# Altium PCB PCB1.PcbDoc (part 1 of 2) (continued)
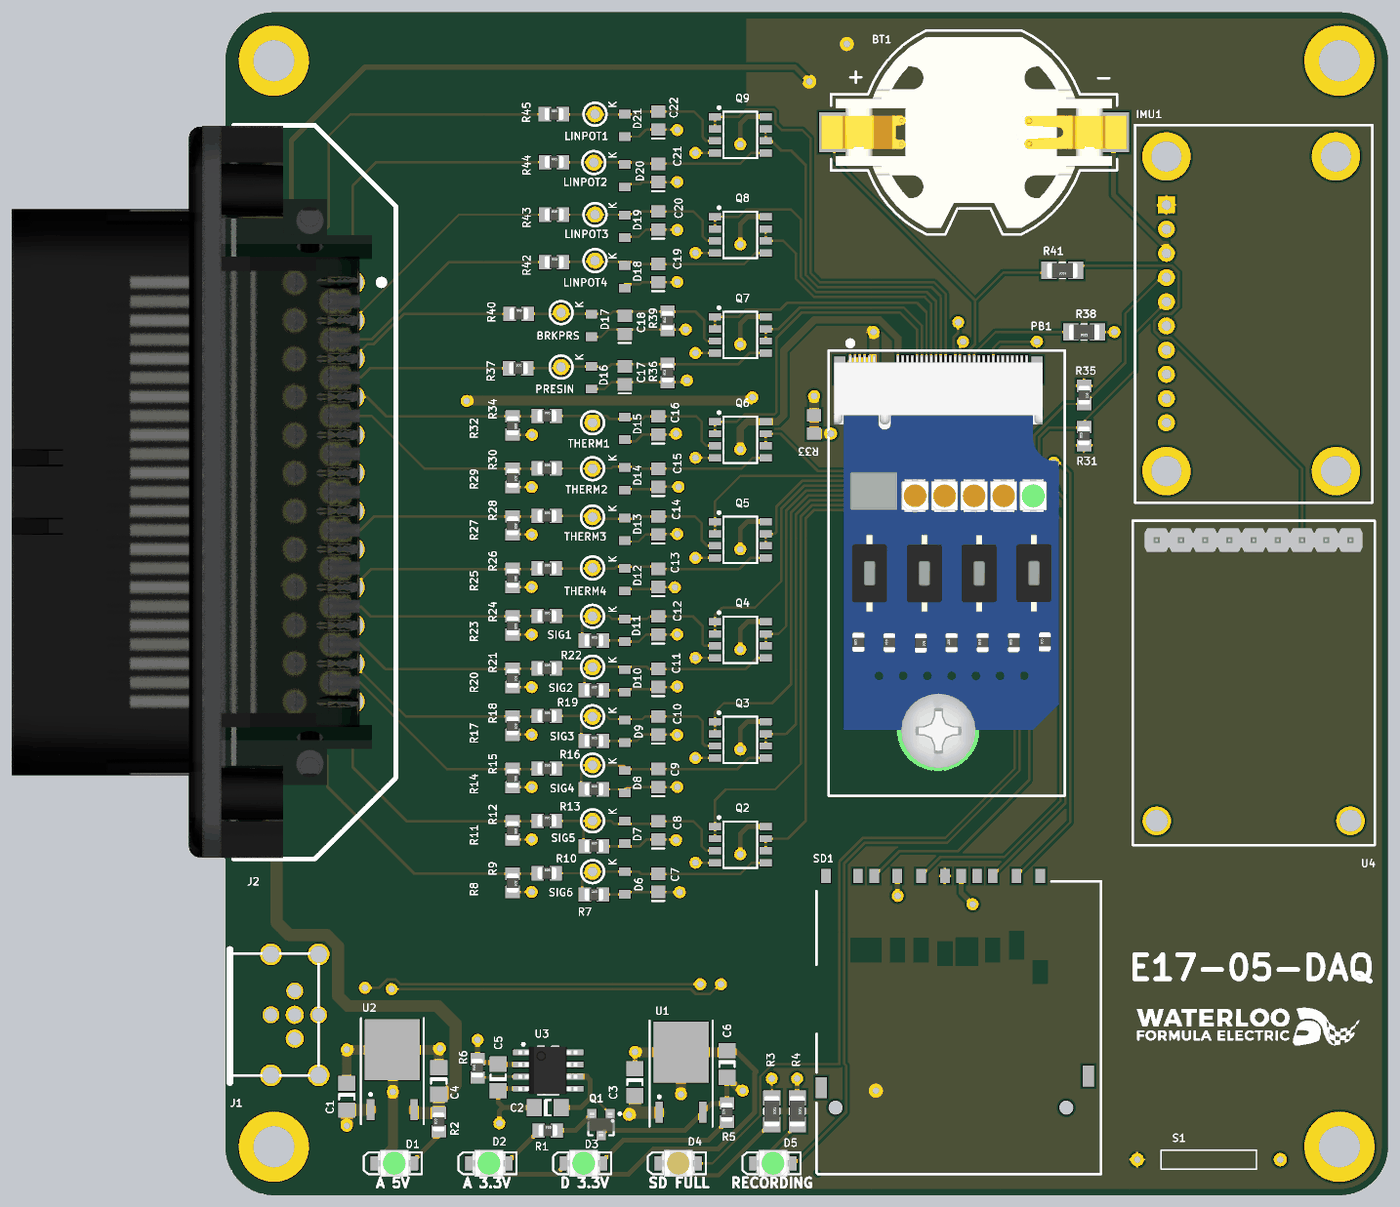
[diagram p5: 3D render of the assembled board from above, using the file's embedded part models]

## Layer stack, top to bottom
Top Solder: solder mask 0.4, Solder Resist, Dk 3.5
Top Layer: signal copper 1.4
Dielectric 1: dielectric 12.6, FR-4, Dk 4.8
Signal Layer 1: signal copper 1.417
Dielectric 2: dielectric 10, Dk 4.2
Signal Layer 2: signal copper 1.417
Dielectric 3: dielectric 10, Dk 4.2
Bottom Layer: signal copper 1.4
Bottom Solder: solder mask 0.4, Solder Resist, Dk 3.5

## Board outline
14493.78,8858.27 ccw(c14693.78,8858.27) 14693.78,8658.27 19094.49,8658.27 ccw(c19094.49,8858.27) 19294.49,8858.27 19294.49,13345.83 ccw(c19094.49,13345.83) 19094.49,13545.83 14693.78,13545.83 ccw(c14693.78,13345.83) 14493.78,13345.83

## Design rules (kind name [scope] priority, off if disabled: settings)
BoardOutlineClearance [All] p1: gap=25
Clearance Clearance_1 [InPolygon] p1: gap=10
Clearance [All] p2: gap=10 except(6: Track-SMDPad SMDPad-SMDPad)
HoleSize [All] p1: absolutevalues=TRUE maxlimit=200 minlimit=1 maxpercent=80.000 minpercent=20.000
PolygonConnect PolygonConnect_J1 [InComponent('J1')] p1: connectstyle=Direct reliefconductorwidth=10 reliefentries=4 polygonreliefangle="90 Angle" airgapwidth=10
PolygonConnect PolygonConnect_VIA [isVia] p2: connectstyle=Direct reliefconductorwidth=10 reliefentries=4 polygonreliefangle="90 Angle" airgapwidth=10
PolygonConnect [All] p3: connectstyle=Relief reliefconductorwidth=10 reliefentries=4 polygonreliefangle="90 Angle" airgapwidth=10
RoutingVias [All] p1: holewidth=28 width=50 viastyle="Through Hole" minholewidth=28 minwidth=50 maxholewidth=28 maxwidth=50
SolderMaskExpansion [All] p1: expansion=4
Width [All] p1: maxlimit=10000 minlimit=10 preferedwidth=10
29 further rules are at their usual default settings.

## Classes and differential pairs
component class Sheet3: C1 C2 C3 C4 C5 C6 D1 D2 J1 Q1 R1 R2 R5 R6 R33 U1 U2 U3
component class Sheet2: C7 C8 C9 C10 C11 C12 C13 C14 C15 C16 C17 C18 C21 C22 D6 D7 D8 D9 D10 D11 D12 D13 D14 D15 D16 D19 D20 D21 Q2 Q3 Q4 Q5 Q6 Q7 Q8 Q9 R7 R8 R9 R10 R11 R12 R13 R14 R15 R16 R17 R18 R19 R20 R21 R22 R23 R24 R25 R26 R27 R28 R29 R30 R32 R36 R37 R39 R43 R44 R45 R48 R49 R50 R51 R52 R53 R54 R55 R56 R58 R59 R60 R61 R63 R64 R65 R66 R67 R68 R69 TP1 TP2 TP3 TP4 TP5 TP6 TP7 TP8 TP9 TP10 TP11 TP12 TP13 TP14 TP15
component class Sheet1: BT1 C23 C24 D4 D5 IMU1 J2 PB1 R3 R4 R31 R35 R38 R74 S1 SD1 U4 XTAL1

## Components (designator, comment, footprint, x,y, rotation, side; value= is the part's Value field where it differs from the comment)
BT1 "CR2032_BU2032SM-BT-GCT-ND" BU2032SM-BT-GCT-ND 17585,13050 r0 top
C1 "Cap" C1206 14995,9065 r270 top (schematic designator C21)
C2 "Cap" C1206 15825,9020 r0 top (schematic designator C24)
C3 "Cap" C1206 16185,9125 r270 top (schematic designator C19)
C4 "Cap" C1206 15375,9130 r270 top (schematic designator C22)
C5 "Cap" C1206 15620,9145 r90 top (schematic designator C23)
C6 "Cap" C1206 16565,9200 r270 top (schematic designator C20)
C7 "Cap" C0805 16280.75,9948.9 r90 top (schematic designator C17)
C8 "Cap" C0805 16280.75,10165.43 r90 top (schematic designator C15)
C9 "Cap" C0805 16280.75,10381.97 r90 top (schematic designator C13)
C10 "Cap" C0805 16280.75,10598.5 r90 top (schematic designator C12)
C11 "Cap" C0805 16280.75,10795.35 r90 top (schematic designator C10)
C12 "Cap" C0805 16280.75,11011.89 r90 top (schematic designator C8)
C13 "Cap" C0805 16280.75,11208.74 r90 top (schematic designator C6)
C14 "Cap" C0805 16280.75,11425.28 r90 top (schematic designator C4)
C15 "Cap" C0805 16280.75,11622.13 r90 top (schematic designator C18)
C16 "Cap" C0805 16280.75,11838.66 r90 top
C17 "Cap" C0805 16142.95,12045.75 r90 top (schematic designator C14)
C18 "Cap" C0805 16142.95,12254.41 r90 top (schematic designator C11)
C19 "Cap" C0805 16280.75,12468.58 r90 top (schematic designator C9)
C20 "Cap" C0805 16280.75,12685.12 r90 top (schematic designator C7)
C21 "Cap" C0805 16280.75,12881.97 r90 top (schematic designator C5)
C22 "Cap" C0805 16280.75,13098.5 r90 top (schematic designator C3)
C23 "Cap" C0805 17270,12365 r90 bottom (schematic designator C1)
C24 "Cap" C0805 17760,12365 r270 bottom (schematic designator C2)
D1 "OVS5MGBCR4" OVS5MGBCR4 15191.1,8790 r180 top (schematic designator D21)
D2 "OVS5MGBCR4" OVS5MGBCR4 15582.08,8790 r180 top (schematic designator D17)
D3 "OVS5MGBCR4" OVS5MGBCR4 15973.05,8790 r180 top (schematic designator D18)
D4 "SD FULL" OVS5MABCR4 16364.03,8790 r180 top (schematic designator D19)
D5 "RECORDING" OVS5MGBCR4 16755,8790 r180 top (schematic designator D20)
D6 "MMSZ4684-TP" MMSZ4684/9 16142.95,9948.9 r90 top (schematic designator D15)
D7 "MMSZ4684-TP" MMSZ4684/9 16142.95,10157.56 r90 top (schematic designator D13)
D8 "MMSZ4684-TP" MMSZ4684/9 16142.95,10366.22 r90 top (schematic designator D11)
D9 "MMSZ4684-TP" MMSZ4684/9 16142.95,10574.88 r90 top (schematic designator D10)
D10 "MMSZ4684-TP" MMSZ4684/9 16142.95,10783.54 r90 top (schematic designator D8)
D11 "MMSZ4684-TP" MMSZ4684/9 16142.95,10992.2 r90 top (schematic designator D6)
D12 "MMSZ4684-TP" MMSZ4684/9 16142.95,11200.87 r90 top (schematic designator D4)
D13 "MMSZ4684-TP" MMSZ4684/9 16142.95,11409.53 r90 top (schematic designator D2)
D14 "MMSZ4684-TP" MMSZ4684/9 16142.95,11618.19 r90 top (schematic designator D16)
D15 "MMSZ4684-TP" MMSZ4684/9 16142.95,11826.85 r90 top (schematic designator D14)
D16 "MMSZ4689-TP" MMSZ4684/9 16005.16,12035.51 r90 top (schematic designator D12)
D17 "MMSZ4689-TP" MMSZ4684/9 16005.16,12252.05 r90 top (schematic designator D9)
D18 "MMSZ4684-TP" MMSZ4684/9 16142.95,12452.83 r90 top (schematic designator D7)
D19 "MMSZ4684-TP" MMSZ4684/9 16142.95,12661.5 r90 top (schematic designator D5)
D20 "MMSZ4684-TP" MMSZ4684/9 16142.95,12870.16 r90 top (schematic designator D3)
D21 "MMSZ4684-TP" MMSZ4684/9 16142.95,13078.82 r90 top (schematic designator D1)
IMU1 "10 DOF IMU" Adafruit_10DOF_IMU 18380,12300 r270 top
J1 "MOLEX 84864-9003" "MOLEX 84864-9003" 14780,9403.5 r90 top (schematic designator J2)
J2 "TE-1-776163-1" TE-1-776163-1 15020,12429.8 r270 top (schematic designator J1)
PB1 "ProcBoardRev2" PROC_BOARD 17074.09,11410.59 r0 top
Q1 "N-Channel MOSFET SOT23-3" SOT23-3 16045,8950 r180 top (schematic designator Q9)
Q2 "Dual OpAmp" LMV358LIDT 16615.39,10106.38 r270 top (schematic designator Q8)
Q3 "Dual OpAmp" LMV358LIDT 16615.39,10539.45 r270 top (schematic designator Q7)
Q4 "Dual OpAmp" LMV358LIDT 16615.39,10952.83 r270 top (schematic designator Q6)
Q5 "Dual OpAmp" LMV358LIDT 16615.39,11366.22 r270 top
Q6 "Dual OpAmp" LMV358LIDT 16615.39,11779.61 r270 top (schematic designator Q4)
Q7 "Dual OpAmp" LMV358LIDT 16615.39,12212.68 r270 top (schematic designator Q3)
Q8 "Dual OpAmp" LMV358LIDT 16615.39,12626.06 r270 top (schematic designator Q2)
Q9 "Dual OpAmp" LMV358LIDT 16615.39,13039.45 r270 top (schematic designator Q1)
R1 "Res" 2012[0805] 15825,8925 r0 top (schematic designator R71)
R2 "Res" 2012[0805] 15375,8960 r90 top (schematic designator R35)
R3 "Res" 3216[1206] 16750,9005 r270 top (schematic designator R41)
R4 "Res" 3216[1206] 16855,9005 r270 top (schematic designator R42)
R5 "Res" 2012[0805] 16565,8999.88 r90 top (schematic designator R34)
R6 "Res" 2012[0805] 15535,9182.4 r90 top (schematic designator R40)
R7 "Res" 2012[0805] 16015,9900 r0 top (schematic designator R55)
R8 "Res" 2012[0805] 15679.57,9948.9 r270 top (schematic designator R30)
R9 "Res" 2012[0805] 15820.79,9988.27 r0 top (schematic designator R31)
R10 "Res" 2012[0805] 16015,10100 r0 top (schematic designator R53)
R11 "Res" 2012[0805] 15679.57,10165.43 r270 top (schematic designator R25)
R12 "Res" 2012[0805] 15820.79,10204.8 r0 top (schematic designator R27)
R13 "Res" 2012[0805] 16015,10335 r0 top (schematic designator R51)
R14 "Res" 2012[0805] 15679.57,10381.97 r270 top (schematic designator R22)
R15 "Res" 2012[0805] 15820.79,10421.34 r0 top (schematic designator R23)
R16 "Res" 2012[0805] 16015,10535 r0 top (schematic designator R49)
R17 "Res" 2012[0805] 15679.57,10598.5 r270 top (schematic designator R19)
R18 "Res" 2012[0805] 15820.79,10637.87 r0 top (schematic designator R20)
R19 "Res" 2012[0805] 16015,10745 r0 top (schematic designator R47)
R20 "Res" 2012[0805] 15679.57,10795.35 r270 top (schematic designator R15)
R21 "Res" 2012[0805] 15820.79,10834.72 r0 top (schematic designator R16)
R22 "Res" 2012[0805] 16015,10950 r0 top (schematic designator R45)
R23 "Res" 2012[0805] 15679.57,11011.89 r270 top (schematic designator R12)
R24 "Res" 2012[0805] 15820.79,11051.26 r0 top (schematic designator R14)
R25 "Res" 2012[0805] 15679.57,11208.74 r270 top (schematic designator R9)
R26 "Res" 2012[0805] 15820.79,11248.11 r0 top (schematic designator R10)
R27 "Res" 2012[0805] 15679.57,11425.28 r270 top (schematic designator R6)
R28 "Res" 2012[0805] 15820.79,11464.65 r0 top (schematic designator R8)
R29 "Res" 2012[0805] 15679.57,11622.13 r270 top (schematic designator R32)
R30 "Res" 2012[0805] 15820.79,11661.5 r0 top (schematic designator R33)
R31 "Res" 2012[0805] 18040,11795 r90 top (schematic designator R2)
R32 "Res" 2012[0805] 15679.57,11838.66 r270 top (schematic designator R28)
R33 "Net_Tie" "NetTie 0805 40mil" 16925,11842.6 r270 top net-tie (schematic designator R70)
R34 "Res" 2012[0805] 15820.79,11878.03 r0 top (schematic designator R29)
R35 "Res" 2012[0805] 18040,11965 r270 top (schematic designator R1)
R36 "Res" 2012[0805] 16320.12,12055.2 r90 top (schematic designator R26)
R37 "Res" 2012[0805] 15702.99,12074.88 r0 top (schematic designator R24)
R38 "Res" 3216[1206] 18040,12225 r180 top (schematic designator R73)
R39 "Res" 2012[0805] 16320.12,12271.73 r90 top (schematic designator R21)
R40 "Res" 2012[0805] 15705,12300 r0 top (schematic designator R18)
R41 "Res" 3216[1206] 17950,12480 r180 top (schematic designator R74)
R42 "Res" 2012[0805] 15850.79,12512.95 r0 top (schematic designator R17)
R43 "Res" 2012[0805] 15850.79,12709.8 r0 top (schematic designator R13)
R44 "Res" 2012[0805] 15850.79,12926.34 r0 top (schematic designator R11)
R45 "Res" 2012[0805] 15850,13125 r0 top (schematic designator R7)
R46 "Res" 3216[1206] 18680,8930 r0 bottom (schematic designator R5)
R47 "Res" 2012[0805] 14575,9420.12 r90 bottom (schematic designator R72)
R48 "Net_Tie" "NetTie 0805 10mil" 17500,11645 r90 bottom net-tie (schematic designator R69)
R49 "Net_Tie" "NetTie 0805 10mil" 17460,11645 r90 bottom net-tie (schematic designator R68)
R50 "Net_Tie" "NetTie 0805 10mil" 17420,11645 r90 bottom net-tie (schematic designator R66)
R51 "Net_Tie" "NetTie 0805 10mil" 17380,11645 r90 bottom net-tie (schematic designator R63)
R52 "Net_Tie" "NetTie 0805 10mil" 17340,11645 r90 bottom net-tie (schematic designator R62)
R53 "Net_Tie" "NetTie 0805 10mil" 17300,11645 r90 bottom net-tie (schematic designator R61)
R54 "Net_Tie" "NetTie 0805 10mil" 17260,11645 r90 bottom net-tie (schematic designator R56)
R55 "Net_Tie" "NetTie 0805 10mil" 17220,11645 r90 bottom net-tie (schematic designator R54)
R56 "Net_Tie" "NetTie 0805 10mil" 17180,11645 r90 bottom net-tie (schematic designator R52)
R57 "Net_Tie" "NetTie 0805 10mil" 17140,11645 r90 bottom net-tie (schematic designator R44)
R58 "Net_Tie" "NetTie 0805 10mil" 17100,11645 r90 bottom net-tie (schematic designator R43)
R59 "Net_Tie" "NetTie 0805 10mil" 17060,11645 r90 bottom net-tie (schematic designator R39)
R60 "Net_Tie" "NetTie 0805 10mil" 17020,11645 r90 bottom net-tie (schematic designator R67)
R61 "Net_Tie" "NetTie 0805 10mil" 16980,11645 r90 bottom net-tie (schematic designator R65)
R62 "Net_Tie" "NetTie 0805 40mil" 17102.4,11805 r0 bottom net-tie (schematic designator R57)
R63 "Net_Tie" "NetTie 0805 10mil" 17440,11950 r90 bottom net-tie (schematic designator R36)
R64 "Net_Tie" "NetTie 0805 10mil" 17400,11950 r270 bottom net-tie (schematic designator R37)
R65 "Net_Tie" "NetTie 0805 10mil" 17360,11950 r90 bottom net-tie (schematic designator R38)
R66 "Net_Tie" "NetTie 0805 10mil" 17320,11950 r270 bottom net-tie (schematic designator R46)
R67 "Net_Tie" "NetTie 0805 10mil" 17280,11950 r270 bottom net-tie (schematic designator R48)
R68 "Net_Tie" "NetTie 0805 10mil" 17240,11950 r270 bottom net-tie (schematic designator R50)
R69 "Net_Tie" "NetTie 0805 10mil" 17200,11950 r270 bottom net-tie (schematic designator R58)
R70 "Net_Tie" "NetTie 0805 10mil" 17160,11950 r270 bottom net-tie (schematic designator R59)
R71 "Net_Tie" "NetTie 0805 10mil" 17120,11950 r270 bottom net-tie (schematic designator R60)
R72 "Net_Tie" "NetTie 0805 10mil" 17080,11950 r270 bottom net-tie (schematic designator R64)
R73 "Res" 2012[0805] 17675,12365 r90 bottom (schematic designator R4)
R74 "Res" 2012[0805] 17350,12365 r90 bottom (schematic designator R3)
S1 "ORD211-1015" ORD211-1015 18555,8805 r180 top
SD1 "10067847-001RLF" 10067847-001RLF 17490,9020 r0 top
TP1 "SIG6" "TEST POINT 5000K" 16010,9995 r90 top (schematic designator TP15)
TP2 "SIG5" "TEST POINT 5000K" 16010,10205 r90 top (schematic designator TP14)
TP3 "SIG4" "TEST POINT 5000K" 16010,10435 r90 top (schematic designator TP11)
TP4 "SIG3" "TEST POINT 5000K" 16010,10635 r0 top (schematic designator TP9)
TP5 "SIG2" "TEST POINT 5000K" 16010,10840 r0 top (schematic designator TP7)
TP6 "SIG1" "TEST POINT 5000K" 16010,11050 r0 top (schematic designator TP5)
TP7 "THERM4" "TEST POINT 5000K" 16010,11250 r90 top (schematic designator TP12)
TP8 "THERM3" "TEST POINT 5000K" 16010,11460 r0 top (schematic designator TP2)
TP9 "THERM2" "TEST POINT 5000K" 16010,11660 r90 top (schematic designator TP15)
TP10 "THERM1" "TEST POINT 5000K" 16010,11850 r90 top (schematic designator TP13)
TP11 "PRESIN" "TEST POINT 5000K" 15880,12080 r90 top (schematic designator TP10)
TP12 "BRKPRS" "TEST POINT 5000K" 15880,12305 r0 top (schematic designator TP8)
TP13 "LINPOT4" "TEST POINT 5000K" 16020,12520 r0 top (schematic designator TP6)
TP14 "LINPOT3" "TEST POINT 5000K" 16020,12710 r0 top (schematic designator TP4)
TP15 "LINPOT2" "TEST POINT 5000K" 16015,12925 r0 top (schematic designator TP3)
TP16 "LINPOT1" "TEST POINT 5000K" 16020,13125 r0 top (schematic designator TP1)
U1 "UA78M33CKVURG3" TO-252-3 16375.35,9374.57 r0 top (schematic designator U2)
U2 "UA78M05CKVURG3" TO-252-3 15183.27,9384.57 r0 top (schematic designator U3)
U3 "LT1461CCS8-3.3" SOIC-8-150 15826.38,9173.31 r270 top (schematic designator U4)
U4 "MTK3339 MODULE" "MTK3339 MODULE" 18740,11365 r180 top (schematic designator U1)
XTAL1 "ABS25-32_768KHZ-6-T" ABS25-32_768KHZ-6-T 17520,12435 r90 bottom

## Footprints (in the part's own frame and the unit in brackets; to place one, negate y for a bottom-side part, rotate by r counter-clockwise, add the part's x,y. Pads: shape width x height; smd on the part's side, far side on the other; paste and mask are expansions set on the pad)
2012[0805] [mm] "Chip Resistor; Body 2.0 x 1.3 mm (LxW typ)"
  rect 1.3x1.5 smd: 1(-0.95,0) 2(0.95,0)
  body extent -0.97,-0.61 1.03,0.64, height 0.77
3216[1206] [mm] "Chip Resistor; Body 3.2 x 1.6 mm (LxW typ)"
  rect 1.6x1.8 smd: 1(-1.4,0) 2(1.4,0)
  silkscreen extent -0.3,-0.8 0.3,0.8, body extent -1.6,-0.79 1.6,0.81, height 1
10067847-001RLF [mm] "SD Card Connector"
  rect 1.2x6.3 on Keep-Out: 0(-14.1,11.35)
  round 1.5 hole 1.5 unplated: 0(-12.1,0) 0(12.1,0)
  rect 1.1x2.1 on Keep-Out: 0(-9.755,16.55) 0(-8.055,16.55) 0(-5.625,16.55) 0(-3.125,16.55) 0(-0.625,16.15) 0(4.37,16.55)
  rect 1.9x2.5 on Keep-Out: 0(1.651,16.383)
  rect 1.1x2.5 on Keep-Out: 0(6.875,17.05)
  rect 1.1x2 on Keep-Out: 0(9.37,14.2)
  rect 1x1.5 smd: 1(6.875,24.3) 2(4.375,24.3) 3(1.075,24.3) 4(-0.625,24.3) 5(-3.125,24.3) 6(-5.625,24.3) 7(-8.05,24.3) 8(-9.75,24.3) 9(9.375,24.3) CD(2.725,24.3) WP(-13.1,24.3)
  rect 1.2x2.2 smd: GND(-13.6,2.1) GND(14.4,3.3)
  Top Layer lines w0.254: -14.097,-6.858 -13.97,-6.985
  silkscreen extent -14.1,-6.98 15.75,23.75
ABS25-32_768KHZ-6-T [mm] "32.768KHz Oscillator"
  rect 1.3x1.9 smd: 1(-2.75,-1.6) 2(2.75,-1.6) 3(2.75,1.6) 4(-2.75,1.6)
  silkscreen extent -4.06,-3.25 4.06,1.91
Adafruit_10DOF_IMU [mil] "Footprint for IMU"
  round 200 hole 125: 0(-650,700) 0(-650,0) 0(650,700) 0(650,0)
  rect 70x70 hole 40: 1(-450,0)
  round 70 hole 40: 2(-350,0) 3(-250,0) 4(-150,0) 5(-50,0) 6(50,0) 7(150,0) 8(250,0) 9(350,0) 10(450,0)
  silkscreen extent -780,-130 780,850
BU2032SM-BT-GCT-ND [mm] "CR2032 Holder"
  rect 3.2x4.2 smd: 1(-14.65,0) 2(14.65,0)
  silkscreen extent -15,-10.7 15,10.7, body extent -16,-10 16,10, height 5.3
C0805 [mm] "Chip Capacitor; Body 2.0 x 1.2 mm (LxW typ)"
  rect 1.3x1.5 smd: 1(-0.95,0) 2(0.95,0)
  silkscreen extent -1.9,-0.65 -1.9,0.65
C1206 [mm] "Chip Capacitor; Body 3.2 x 1.6 mm (LxW typ)"
  rect 1.6x1.8 smd: 1(-1.4,0) 2(1.4,0)
  silkscreen extent -0.3,-0.8 0.3,0.8
LMV358LIDT [mil] "OpAmp footprint"
  rect 30x50 smd: 1(-75,-100) 2(-25,-100) 3(25,-100) 4(75,-100) 5(75,110) 6(25,110) 7(-25,110) 8(-75,110)
  silkscreen extent -117,-88 96,75
MMSZ4684/9 [mil] "Zener Diode"
  rect 36x48 smd: 1(-46.5,0) 2(46.5,0)
"MOLEX 84864-9003" [mil]
  round 70 hole 55: 1(0,98.5) 3(0,-98.5) 4(98.5,0)
  round 75 hole 55: 2(-98.5,0) 5(0,0)
  round 90 hole 70: 6(250,98.5) 7(250,-98.5) 8(-250,98.5) 9(-250,-98.5)
  silkscreen extent -278,-99 268,268, body extent -299,-148 299,452, height 710
"MTK3339 MODULE" [mil] "MTK3339 breakout"
  round 118.11 hole 90.55: 0(-400,1160) 0(400,1160)
  round 80 hole 40: 1(-400,0) 2(-300,0) 3(-200,0) 4(-100,0) 5(0,0) 6(100,0) 7(200,0) 8(300,0) 9(400,0)
  silkscreen extent -500,-80 500,1260, body extent -450,-49 450,49, height 365
"NetTie 0805 10mil" [mil] "Chip Resistor; Body 2.0 x 1.3 mm (LxW typ)"
  rect 20x10 smd paste+0 mask-20: 1(-10,0) 2(10,0)
  silkscreen extent -25,-10 25,10
"NetTie 0805 40mil" [mm] "Chip Resistor; Body 2.0 x 1.3 mm (LxW typ)"
  rect 1.3x1.5 smd: 1(-0.95,0) 2(0.95,0)
  Top Layer lines w1.016: 0.508,0 -0.508,0
ORD211-1015 [mm] "REED Switch"
  round 1.4 hole 0.7: 1(-7.5,0) 2(7.5,0)
  silkscreen extent -5,-1 5,1
OVS5MABCR4 [mm] "SMT LED; 2 Flat Leads; AMBER"
  rect 1.5x1.5 smd: 1(-1.75,0) 2(1.75,0)
  silkscreen extent -2.9,-1.15 3.2,1.15, body extent -1.75,-1.4 1.75,1.4, height 1.6
OVS5MGBCR4 [mm] "SMT LED; 2 Flat Leads; GREEN"
  rect 1.5x1.5 smd: 1(-1.75,0) 2(1.75,0)
  silkscreen extent -2.9,-1.15 3.2,1.15, body extent -1.75,-1.4 1.75,1.4, height 1.6
PROC_BOARD [mm]
  rect 1.2x2.75 smd: 0(-1.1,16.725) 0(19.6,16.725)
  round 1.1 hole 1.1 unplated paste+0: 0(-0.75,12.225)
  round 0 hole 6.35 unplated: 0(9.258,-21.183)
  round 1.524 hole 1.6 unplated: 0(19.25,12.225)
  rect 0.3x1.55 smd: 1(0,17.5) 2(0.25,9.95) 3(0.5,17.5) 4(0.75,9.95) 5(1,17.5) 6(1.25,9.95) 7(1.5,17.5) 8(1.75,9.95) 9(2,17.5) 10(2.25,9.95) 11(2.5,17.5) 12(4.75,9.95) 13(5,17.5) 14(5.25,9.95) 15(5.5,17.5) 16(5.75,9.95) 17(6,17.5) 18(6.25,9.95) 19(6.5,17.5) 20(6.75,9.95) 21(7,17.5) 22(7.25,9.95) 23(7.5,17.5) 24(7.75,9.95) 25(8,17.5) 26(8.25,9.95) 27(8.5,17.5) 28(8.75,9.95) 29(9,17.5) 30(9.25,9.95) 31(9.5,17.5) 32(9.75,9.95) 33(10,17.5) 34(10.25,9.95) 35(10.5,17.5) 36(10.75,9.95) 37(11,17.5) 38(11.25,9.95) 39(11.5,17.5) 40(11.75,9.95) 41(12,17.5) 42(12.25,9.95) 43(12.5,17.5) 44(12.75,9.95) 45(13,17.5) 46(13.25,9.95) 47(13.5,17.5) 48(13.75,9.95) 49(14,17.5) 50(14.25,9.95) 51(14.5,17.5) 52(14.75,9.95) 53(15,17.5) 54(15.25,9.95) 55(15.5,17.5) 56(15.75,9.95) 57(16,17.5) 58(16.25,9.95) 59(16.5,17.5) 60(16.75,9.95) 61(17,17.5) 62(17.25,9.95) 63(17.5,17.5) 64(17.75,9.95) 65(18,17.5) 66(18.25,9.95) 67(18.5,17.5)
  Keep-Out Layer circle w6.35: c9.258,-21.183 r3.175
  silkscreen extent -2.25,-28 22.5,19.75, body extent -1.7,-25.44 21.89,18.08, height 6.34
SOIC-8-150 [mm] "SOIC-8 150 mil package"
  rect 0.6x2.2 smd: 1(-1.905,-2.6) 2(-0.635,-2.6) 3(0.635,-2.6) 4(1.905,-2.6) 5(1.905,2.6) 6(0.635,2.6) 7(-0.635,2.6) 8(-1.905,2.6)
  silkscreen extent -2.88,-2.72 2.5,1.1, body extent -2.53,-3.12 2.47,3.08, height 1.72
SOT23-3 [mm] "SOT-23; 3 Leads; Body 3.0 x 2.5 mm, inc. leads (LxW max)"
  rect 0.95x1 smd: 1(-0.95,-1.125) 2(0.95,-1.125) 3(0,1.125)
  silkscreen extent -2.1,-1.25 1.32,1.13, body extent -1.52,-1.24 1.52,1.24, height 1.17
TE-1-776163-1 [mm] "CONN HEADER 35POS R/A GOLD BLACK"
  round 0 hole 2.85 unplated: 0(-6.5,-4.5) 0(50.5,-4.5)
  round 2.5 hole 2.2: 1(0,0) 2(4,0) 3(8,0) 4(12,0) 5(16,0) 6(20,0) 7(24,0) 8(28,0) 9(32,0) 10(36,0) 11(40,0) 12(44,0) 13(2,-4) 14(6,-4) 15(10,-4) 16(14,-4) 17(18,-4) 18(22,-4) 19(26,-4) 20(30,-4) 21(34,-4) 22(38,-4) 23(42,-4) 24(0,-8) 25(4,-8) 26(8,-8) 27(12,-8) 28(16,-8) 29(20,-8) 30(24,-8) 31(28,-8) 32(32,-8) 33(36,-8) 34(40,-8) 35(44,-8)
  silkscreen extent -16.5,-12.5 60.5,4.5, body extent -16.45,-35.8 60.45,2, height 27.77
"TEST POINT 5000K" [mm] "Test Point, 5000 Keystone Series, 0.040\" Hole"
  round 1.7 hole 1.02 mask+0.1: 1(0,0)
  silkscreen extent -1.2,-1.2 1.2,1.2
TO-252-3 [mm] "D-PAK/TO-252-3; 3 Leads"
  rect 0.8x2.2 smd: 1(-2.28,-9.5) 3(2.28,-9.5)
  rect 5.8x6.4 smd: 2(0,-3.2)
  silkscreen extent -3.3,-11 3.3,0.13

## Part data
BT1: "Coin Cell Battery Holder_BU2032SM-BT-GCT-ND"
C1 C2 C3 C4 C5 C6 C7 C8 C9 C10 C11 C12 C13 C14 C15 C16 C17 C18 C19 C20 C21 C22 C23 C24: "Capacitor"
D1 D2 D3: "Typical GREEN LED"
D4: library part OVS5MABCR4, "Typical AMBER LED"
D5: library part OVS5MGBCR4, "Typical GREEN LED"
D6 D7 D8 D9 D10 D11 D12 D13 D14 D15 D18 D19 D20 D21: "Zener Diode 3.3"
D16 D17: "Zener Diode 5.1"
IMU1: library part Adafruit_10DOF_IMU
J1: "CAN Micro-Change M12, Right Angle, Male"
J2: "CONN HEADER 35POS R/A GOLD BLACK"
PB1: "Processor board that carries the STM32F072RB"
Q1: library part "MOSFET-N SOT23-3"
Q2 Q3 Q4 Q5 Q6 Q7 Q8 Q9: library part LMV358LIDT, "Standard Dual OpAmp"
R1 R2 R3 R4 R5 R6 R7 R8 R9 R10 R11 R12 R13 R14 R15 R16 R17 R18 R19 R20 R21 R22 R23 R24 R25 R26 R27 R28 R29 R30 R31 R32 R34 R35 R36 R37 R38 R39 R40 R41 R42 R43 R44 R45 R46 R47 R73 R74: "Surface Mount Resistor"
R33 R48 R49 R50 R51 R52 R53 R54 R55 R56 R57 R58 R59 R60 R61 R62 R63 R64 R65 R66 R67 R68 R69 R70 R71 R72: library part Res_NetTie, "Surface Mount Resistor"
S1: "REED Switch"
SD1: "SD Card Connector"
TP1 TP2 TP3 TP4 TP5 TP6 TP7 TP8 TP9 TP10 TP11 TP12 TP13 TP14 TP15 TP16: library part "Test Point", "5000-5004, 5015-5019 Keystone Electronics"
U1: "3.3V Regulator"
U2: "5.0V Regulator"
U3: "IC VREF SERIES 3.3V 8SOIC"
U4: "GPS Module Breakout"
XTAL1: "32.768KHz Crystal Oscillator"

## Free pads (board coordinates)
  round 290 hole 170: 0(14693.78,8858.27) 0(14693.78,13345.83) 0(19094.49,8858.27) 0(19094.49,13345.83)

## Via types
v1: diameter 50, hole 28, Top Layer to Bottom Layer, 93 vias

## Nets (pads, with @x,y where several pads share a name; then routed paths per layer and width w, separated by ;. In a path a pad name is that pad's centre, name@x,y a point inside that pad or via, vN(x,y) a via of type N, cw(c..) or ccw(c..) an arc to the next point about the centre after c; other vN are vias at no path point)
3_3V: C6.2 IMU1.1 J2.5 J2.7 J2.17 J2.27 J2.29 PB1.1 PB1.3 PB1.5 PB1.7 PB1.9 PB1.11 Q1.3 R5.2 R31.1 R35.1 S1.2 SD1.4 U1.3 U4.8 | length 10626.5
  Top Layer w10: v1@16609.88,9100 v1(16630,9090)
  Top Layer w20: Q1.3@16045,8905.71 16064.29,8925 16389.57,8925 U1.3@16465.12,9000.55 16501.85,9037.28 R5.2@16565,9037.28 C6.2@16565,9144.88
  Top Layer w21: J2.27@14705.04,11957.36 14779.03,12031.35 14779.03,12070.75 14788.53,12080.26 14788.53,12149.43 14779.03,12158.93 14779.03,12228.24 14788.53,12237.74 14788.53,12306.91 14779.03,12316.41 14779.03,12385.72 14788.53,12395.22 14788.53,12631.68 14766.23,12653.98 14766.23,13015.67 15070.06,13319.5 16845.5,13319.5 v1(16905,13260)
  Top Layer w30: C6.2@16565,9144.88 v1@16609.88,9100
  Top Layer w40: J2.17@14862.52,11721.14 14941.26,11799.88 J2.5@15020,11799.88 ; 17084.41,12099.57 PB1.3@17093.78,12099.57 PB1.5@17113.46,12099.57 PB1.7@17133.15,12099.57 PB1.9@17152.83,12099.57 PB1.11@17172.52,12099.57 v1@17172.52,12217.48
  Signal Layer 1 w50: J2.7@15020,11484.92 15145,11609.92 15145,13350 15210,13415 v1(17060,13415)
  Bottom Layer w21: J2.27@14705.04,11957.36 14779.03,11883.37 14779.03,11844.04 14827.94,11795.13 J2.17@14827.94,11755.73 ; v1(16905,13260) v1(17060,13415)
  Bottom Layer w30: v1(16630,9090) v1(17180,9090)
  Bottom Layer w40: J2.29@14705.04,11642.4 14783.78,11642.4 J2.17@14862.52,11721.14 ; v1(17170,12225) 17170,12955 v1@17350,13135
  other v1: 17355,13140
3_3VA: C2.2 PB1.13 Q1.1 Q2.8 Q3.8 Q4.8 Q5.8 Q6.8 Q7.8 Q8.8 Q9.8 R8.2 R11.2 R14.2 R17.2 R20.2 R23.2 R25.2 R27.2 R29.2 R32.2 U3.6 | length 3908.3
  Top Layer w10: R8.2@15679.57,9911.5 v1(15758.74,9911.5) ; R11.2@15679.57,10128.03 v1(15758.74,10128.03) ; R14.2@15679.57,10344.57 v1(15758.74,10344.57) ; R17.2@15679.57,10561.1 v1(15758.74,10561.1) ; R20.2@15679.57,10757.95 v1(15758.74,10757.95) ; R23.2@15679.57,10974.49 v1(15758.74,10974.49) ; R25.2@15679.57,11171.34 v1(15758.74,11171.34) ; R27.2@15679.57,11387.87 v1(15758.74,11387.87) ; R29.2@15679.57,11584.72 v1(15758.74,11584.72) ; R32.2@15680.83,11800 v1(15760,11800) ; 16010,9060 16016.69,9060 Q1.1@16082.4,8994.29 ; PB1.13@17270.94,12099.57 17270.94,12159.06
  Top Layer w19.68: C2.2@15880.12,9020 15960,9020 16000,9060 16000,9135 15986.69,9148.31 ; v1(16620,10066.93) 16620,10151.93 16649.45,10181.38 Q2.8@16725.39,10181.38 ; v1(16620,10500) 16620,10585 16649.45,10614.45 Q3.8@16725.39,10614.45 ; v1(16620,10913.39) 16620,10998.39 16649.45,11027.83 Q4.8@16725.39,11027.83 ; v1(16620,11326.77) 16620,11411.77 16649.45,11441.22 Q5.8@16725.39,11441.22 ; v1(16620,12173.23) 16620,12258.23 16649.45,12287.68 Q7.8@16725.39,12287.68 ; v1(16620,12586.61) 16620,12671.61 16649.45,12701.06 Q8.8@16725.39,12701.06 ; v1(16620,13000) 16620,13085 16649.45,13114.45 Q9.8@16725.39,13114.45
  Top Layer w25: v1(15830,9150) 15927.05,9150 U3.6@15928.74,9148.31 15986.69,9148.31
  Top Layer w30: v1(16620,11740.16) 16620,11825.16 16649.45,11854.61 Q6.8@16725.39,11854.61 16774.61,11854.61 16800,11880 16800,12149.61 16925.39,12275 17195,12275 17270.94,12199.06 17270.94,12159.06
5V: C4.2 J2.24 J2.25 J2.26 J2.30 J2.31 J2.35 R2.2 U2.3 | length 4410.7
  Top Layer w50: J2.35@14705.04,10697.52 14705.04,9784.96 14756.5,9733.5 14911.64,9733.5 14958.5,9686.64 14958.5,9481.5 15000,9440 15370,9440 15445.43,9364.57 15445.43,9115.43 15404.88,9074.88 C4.2@15375,9074.88 R2.2@15375,8997.4 15286.18,8997.4 U2.3@15273.03,9010.55
  Bottom Layer w50: J2.35@14705.04,10697.52 14705.04,10757.01 14664.45,10757.01 14607.05,10814.41 14607.05,11229.45 J2.31@14705.04,11327.44 J2.30@14705.04,11484.92 14705.04,11544.41 14664.45,11544.41 14607.05,11601.81 14607.05,12016.85 J2.26@14705.04,12114.84 J2.25@14705.04,12272.32 J2.24@14705.04,12429.8
AGND: C1.1 C2.1 C4.1 C5.1 D1.2 J1.3 J1.6 J1.7 J1.8 J1.9 PB1.12 R33.2 R48.2 R49.2 R50.2 R51.2 R52.2 R53.2 R54.2 R55.2 R56.2 R57.2 R58.2 R59.2 R60.2 R61.2 R62.1 R63.1 R64.2 R65.1 R66.2 R67.2 R68.2 R69.2 R70.2 R71.2 R72.2 U2.2 U3.4 | length 5673.7
  Top Layer w12: v1@17261.1,11721.34 PB1.12@17261.1,11802.32 v1@17261.1,11883.31
  Top Layer w19.68: v1(15625,8955) 15625,9005 15640,9020 ; U3.4@15724.02,9098.31 15628.43,9098.31 C5.1@15620,9089.88 15620,9040 15640,9020 ; C2.1@15769.88,9020 15640,9020
  Top Layer w40: C1.1@14995,9120.12 v1(14995,9260) ; v1@14996.42,9258.58 U2.2@15183.27,9258.58 15373.58,9258.58 15375,9257.17 C4.1@15375,9185.12 ; D1.2@15122.2,8790 15185,8852.8 v1(15185,9085) U2.2@15185,9256.85 ; v1@15496.01,11941.01 16656.01,11941.01 v1(16670,11955) ; R33.2@16925,11805.2 v1@16994.8,11805.2
  Bottom Layer w10: R61.2@16980,11660 16980,11695 17005,11720 17020,11720 ; R60.2@17020,11655 17020,11720 ; R59.2@17060,11655 17060,11720 ; R58.2@17100,11655 17100,11715 ; R57.2@17140,11655 17140,11720 ; R56.2@17180,11655 17180,11720 ; R55.2@17220,11655 17220,11715 ; R54.2@17260,11655 v1(17260,11720) ; R53.2@17300,11655 17300,11720 ; R52.2@17340,11655 17340,11715 ; R51.2@17380,11655 17380,11720 ; R50.2@17420,11655 17420,11720 ; R49.2@17460,11655 17460,11715 ; R48.2@17500,11660 17500,11700 17480,11720 17420,11720 ; 17020,11720 17060,11720 ; 17060,11720 17140,11720 ; 17140,11720 17180,11720 ; 17180,11720 v1(17260,11720) ; v1(17260,11720) 17300,11720 ; 17300,11720 17380,11720 ; 17380,11720 17420,11720
  Bottom Layer w12: R72.2@17080,11940 17080,11915 17115,11880 17200,11880 ; 17120,11885 R71.2@17120,11940 ; 17160,11885 R70.2@17160,11940 ; R69.2@17200,11940 17200,11880 ; R68.2@17240,11940 17240,11900 v1(17260,11880) ; R67.2@17280,11940 17280,11900 v1(17260,11880) ; 17320,11885 R66.2@17320,11940 ; 17360,11885 R65.1@17360,11940 ; 17400,11885 R64.2@17400,11940 ; R63.1@17440,11934 17440,11910 17410,11880 v1(17260,11880) ; 17200,11880 v1(17260,11880)
  Bottom Layer w20: R62.1@17042.4,11788.43 17060,11770.83 17060,11720
  Bottom Layer w40: v1(16670,11955) 16845,11955 v1(16995,11805) R62.1@17042.4,11805
  other v1: 15380,9265 15490,11940
BRK_PRS: J2.3 R40.1 | length 724.3
  Top Layer w10: J2.3@15020,12114.84 15079.49,12174.33 15106.28,12174.33 15231.95,12300 R40.1@15667.6,12300
BRKPRS: PB1.25 Q7.1 Q7.2 | length 1170
  Top Layer w10: Q7.2@16515.39,12237.68 Q7.1@16515.39,12287.68 16614.32,12287.68 16644.32,12317.68 16785,12317.68 16812.32,12345 17350,12345 17389.05,12305.95 PB1.25@17389.05,12099.57
CAN_MCU_N: J1.5 PB1.19 R47.1 | length 5632
  Top Layer w10: v1(15180,9510) 16415,9510 16435,9490 16495,9490 16535,9530 v1(16540,9530) ; PB1.19@17330,12099.57 17330,12061.62 17337.57,12054.06 17595.94,12054.06 v1(17640,12010)
  Bottom Layer w10: R47.1@14575,9382.72 14615,9382.72 14644.37,9353.35 14730.59,9353.35 14780.59,9403.35 J1.5@14752.8,9403.35 ; J1.5@14780,9403.5 14858.5,9482 15046.43,9482 15053.43,9475 15086.57,9475 15093.57,9482 15152,9482 ccw(c15152,9510) v1(15180,9510) ; v1(16540,9530) 16618.28,9530 17085,9996.72 17085,11171.72 17153.28,11240 17453.28,11240 17550,11336.72 17550,11920 v1(17640,12010)
CAN_MCU_P: J1.4 PB1.17 R47.2 | length 5441.3
  Top Layer w10: v1(15070,9515) 15128.43,9515 15163.43,9550 15196.57,9550 15216.57,9530 v1(16455,9530) ; PB1.17@17310.31,12099.57 17310.31,12053.02 17329.28,12034.06 17535.94,12034.06 v1(17560,12010)
  Bottom Layer w10: R47.2@14575,9457.52 14736.26,9457.52 J1.4@14780.59,9501.85 ; J1.4@14780,9502 14780,9515 v1(15070,9515) ; v1(16455,9530) 16495,9570 16630,9570 17065,10005 17065,11180 17145,11260 17445,11260 17530,11345 17530,11980 v1(17560,12010)
CAN_V: J1.2